# Altium PCB RUMBA_plus.PcbDoc (part 1 of 3)
Units mm, origin at the board's own origin, x right, y up, seen from the top; angles counter-clockwise.
Board outline 135 x 75 mm, 2 copper layers (Top Layer, Bottom Layer), stack 1.581 mm thick; 207 components, 187 nets, 895 pads, 260 vias.
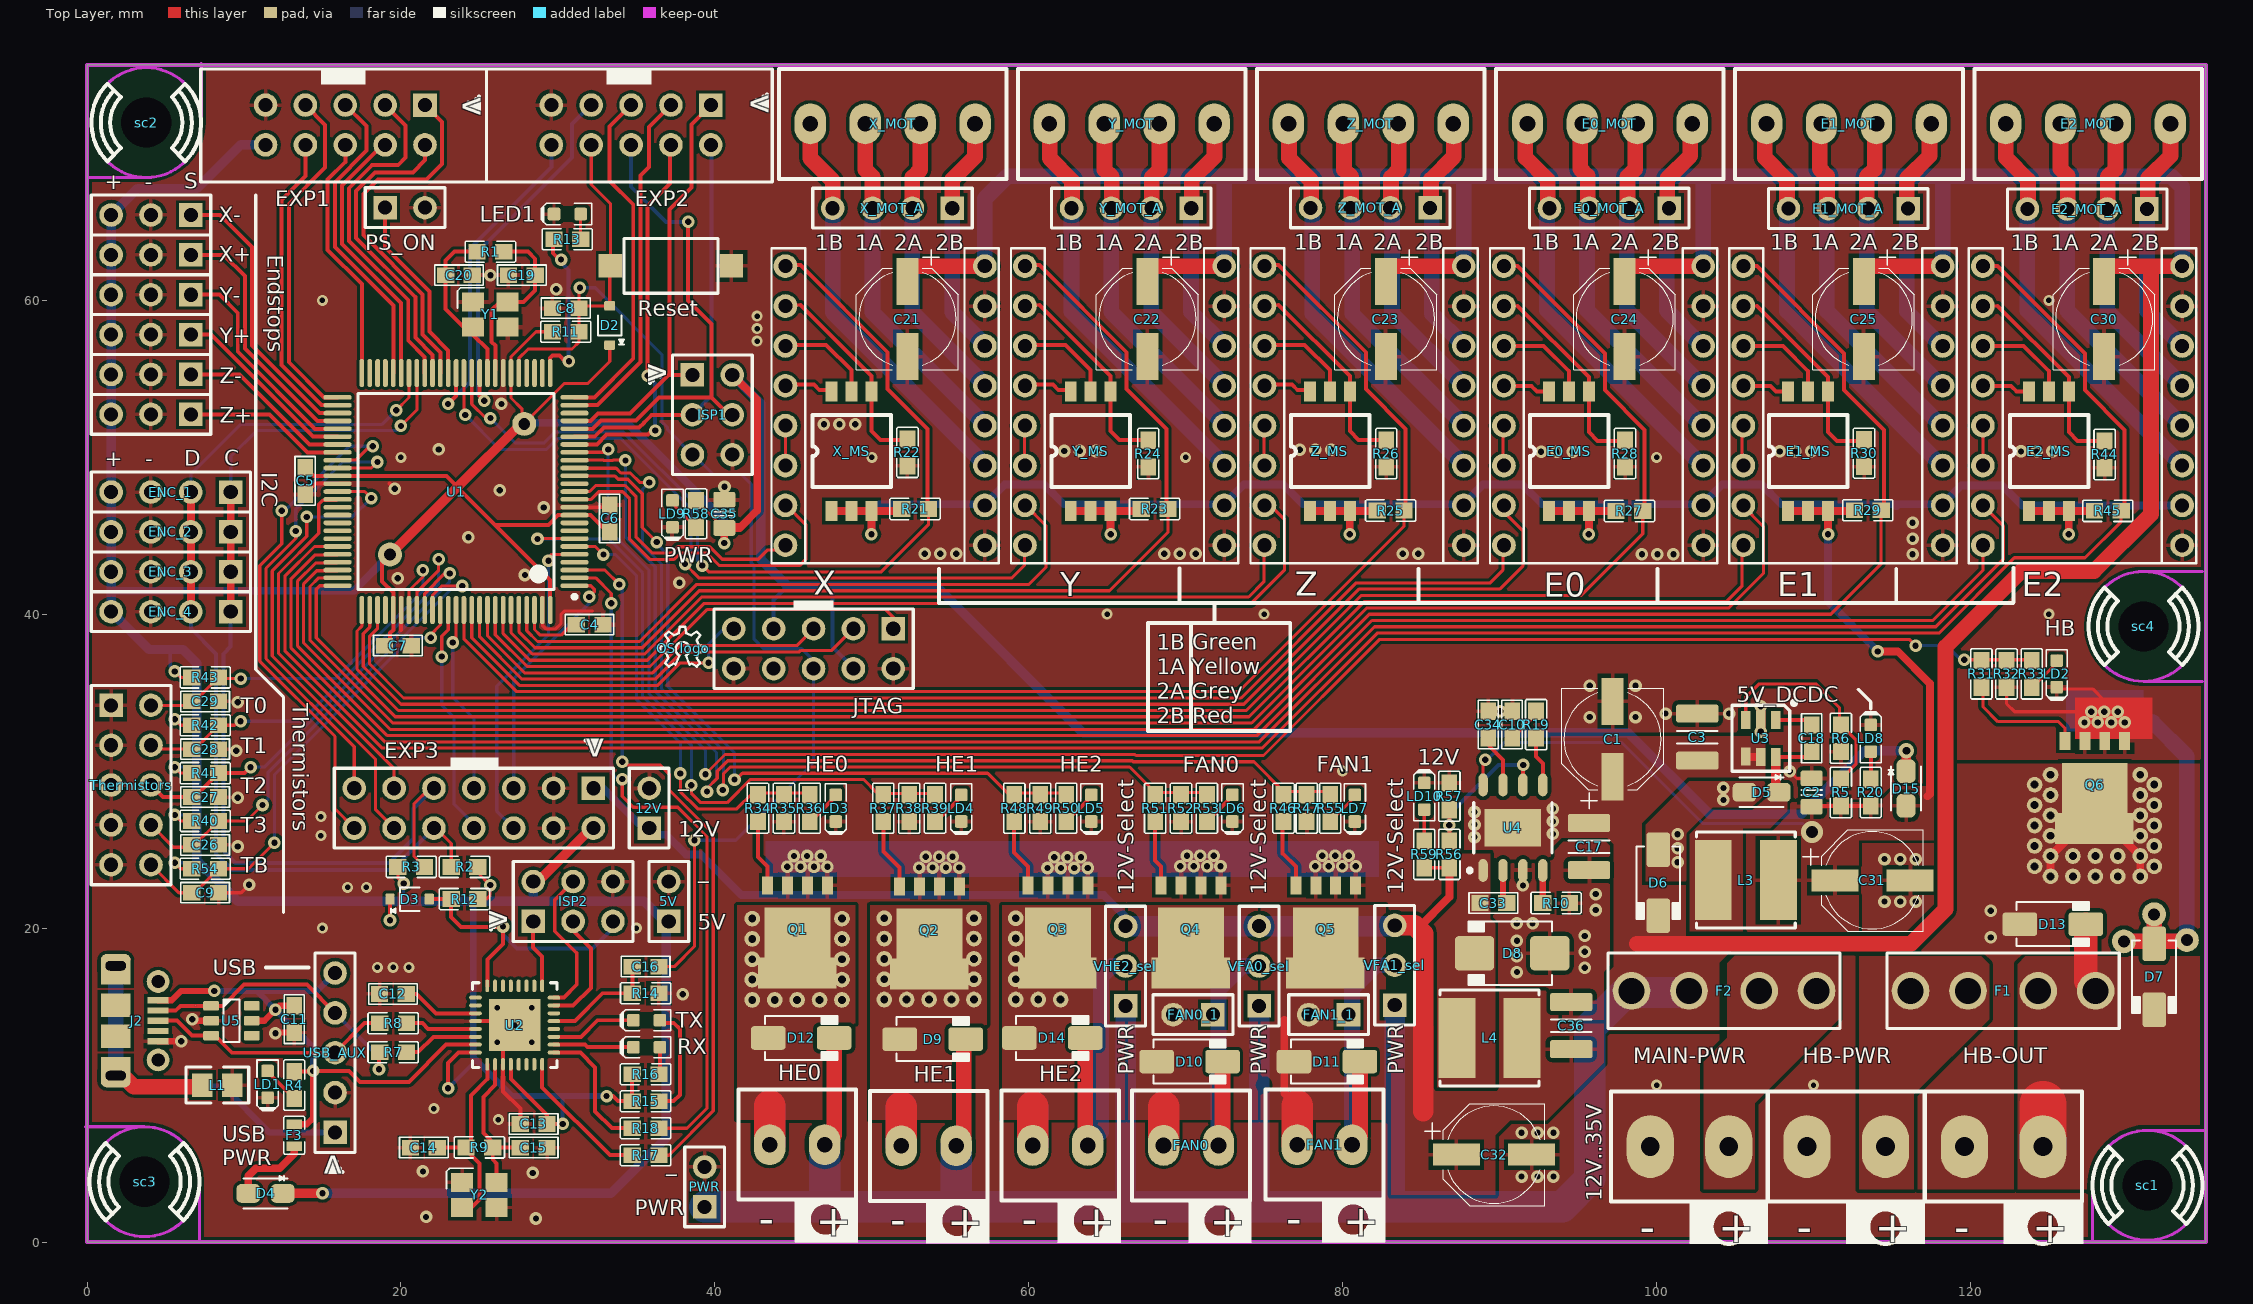
[diagram p0: Top Layer view]
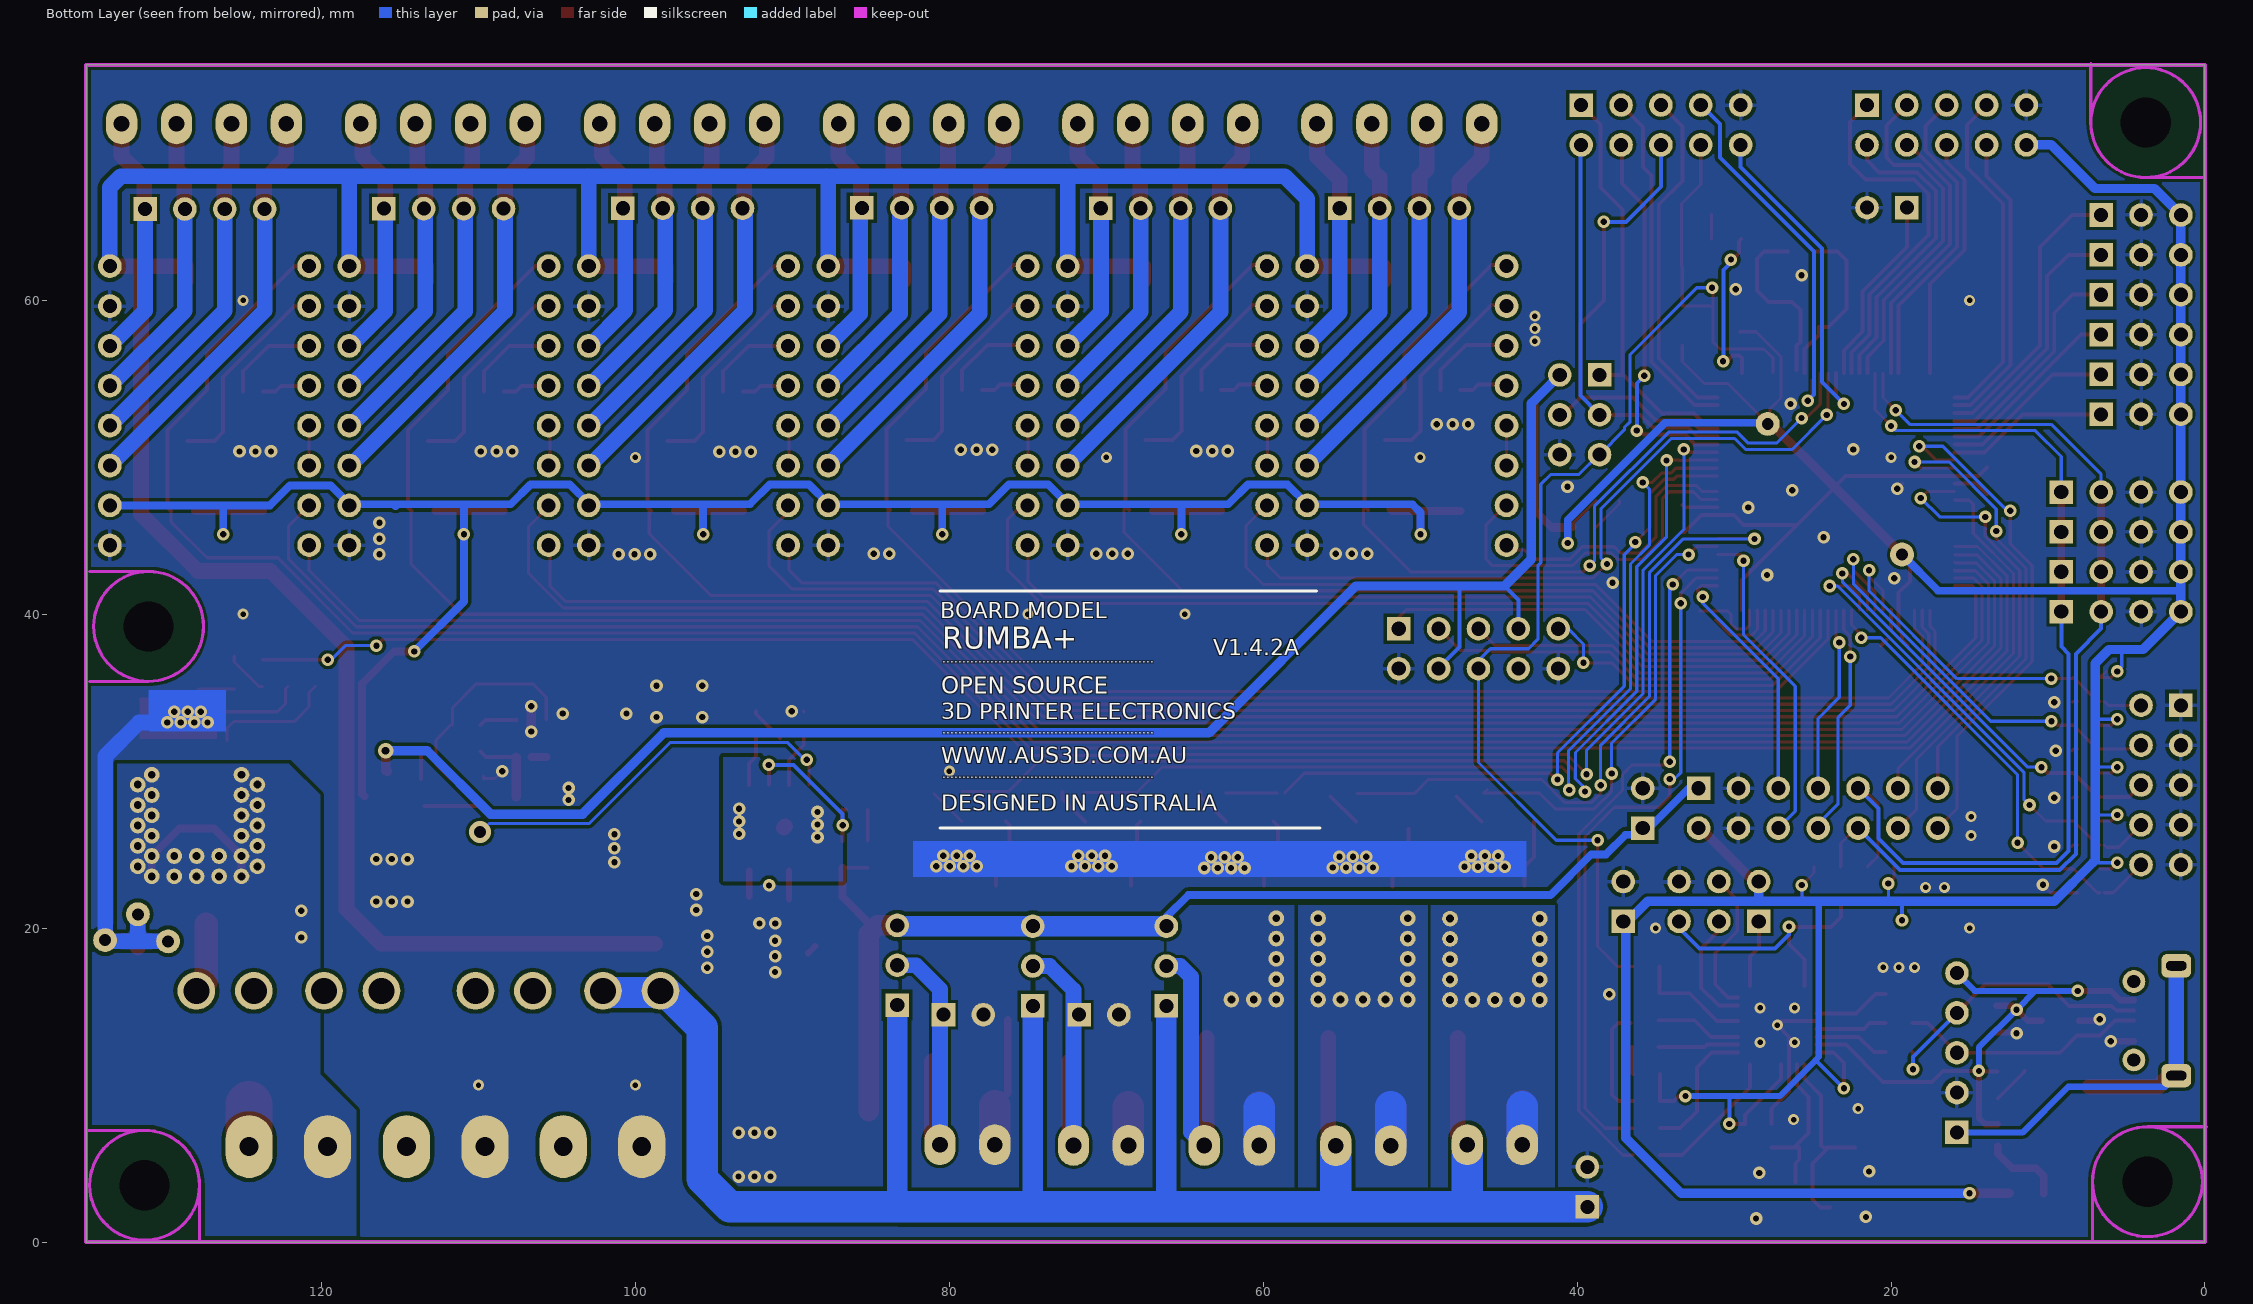
[diagram p1: Bottom Layer view, seen from below]

## Layer stack, top to bottom
Top Solder: solder mask 0.0102, Solder Resist, Dk 3.5
Top Layer: signal copper 0.0356
Dielectric1: dielectric 1.51, FR-4, Dk 4.8
Bottom Layer: signal copper 0.0356
Bottom Solder: solder mask 0.0102, Solder Resist, Dk 3.5

## Board outline
0,0 0,75 135,75 135,0

## Design rules (kind name [scope] priority, off if disabled: settings)
Clearance Clearance_1 [InNet('VIN1') OR InNet('VIN2') OR InNet('VIN') OR InNet('+12V') OR InNet('NetF2_0') OR InNet('NetF1_0') OR InNet('NetD13_A')] p1: gap=0.25 ignorepadtopadclearanceinfootprint=FALSE
Clearance [All] p2: gap=0.2 ignorepadtopadclearanceinfootprint=FALSE except(0: Arc-Hole Track-Hole SMDPad-Hole THPad-Hole Via-Hole Fill-Hole Poly-Hole Region-Hole Text-Hole)
ComponentClearance [All] p1: gap=0.2 collisioncheckmode=3 verticalgap=0.25 showdistances=FALSE
HoleSize [All] p1: absolutevalues=TRUE maxlimit=4 minlimit=0.025 maxpercent=80.000 minpercent=20.000
MinimumSolderMaskSliver [All] p1: minsoldermaskwidth=0
PolygonConnect PolygonConnect_Via [All vs IsVia] p1: connectstyle=Direct reliefconductorwidth=0.254 reliefentries=4 polygonreliefangle="90 Angle" airgapwidth=0.254
PolygonConnect PolygonConnect_Specific [All vs IsPad AND (InNet('HE_0') OR InNet('NetD9_A') OR InNet('NetD10_A') OR InNet('NetD11_A') OR InNet('NetD12_A') OR InNet('NetD13_A') OR InNet('NetD14_A')  OR InNet('VIN2') OR InNet('VIN1') OR InNet('NetC33_2') OR InNet('NetF1_0') OR InNet('NetF2_0'))] p2: connectstyle=Direct reliefconductorwidth=0.254 reliefentries=4 polygonreliefangle="90 Angle" airgapwidth=0.254
PolygonConnect PolygonConnect_Specific_1 [All vs IsPad AND (InComponent('HB-PWR') OR InComponent('MAIN-PWR') OR InComponent('HB-OUT') OR InComponent('IC4') OR InComponent('U1') Or InNet('NetC18_1') OR InComponent('L4') OR InComponent('D5') OR InComponent('D6'))] p3: connectstyle=Direct reliefconductorwidth=0.254 reliefentries=4 polygonreliefangle="90 Angle" airgapwidth=0.254
PolygonConnect [All] p4: connectstyle=Relief reliefconductorwidth=0.254 reliefentries=4 polygonreliefangle="90 Angle" airgapwidth=0.254
RoutingVias [All] p1: holewidth=0.4 width=0.8 viastyle="Through Hole" minholewidth=0.35 minwidth=0.7 maxholewidth=1 maxwidth=2
SilkToSilkClearance [All] p1: silktosilkclearance=0.1
SilkToSolderMaskClearance SilkscreenOverComponentPads [IsPad] p1: minsilkscreentomaskgap=0 clearancetoexposedcopper=TRUE
SolderMaskExpansion [All] p1: expansion=0.102 istentingtop=FALSE
Width Width_1 [All] p1: maxlimit=3 minlimit=0.2 preferedwidth=0.2 minimp=50.000000 maximp=50.000000 favimp=50.000000
25 further rules are at their usual default settings.

## Components (designator, comment, footprint, x,y, rotation, side; value= is the part's Value field where it differs from the comment)
5V "Header 2" HDR1X2 37.062,20.429 r90 top
12V "Header 2" HDR1X2 35.818,26.373 r90 top
C1 "" "CAP EL PANASONIC" 97.199,34.497 r180 top value="100uF 35V"
C2 "" CAPC2012X135N 109.884,28.643 r270 top value=4.7uF
C3 "" "CAP 3225-1210" 102.599,32.172 r270 top value=4.7uF
C4 "" "CAP 1608-0603" 32.021,39.332 r180 top value=100nF
C5 "" "CAP 1608-0603" 13.9,48.5 r90 top value=100nF
C6 "" "CAP 1608-0603" 33.3,46.1 r270 top value=100nF
C7 "" "CAP 1608-0603" 19.8,38 r180 top value=100nF
C8 "" "CAP 1608-0603" 30.5,59.5 r0 top value=22pF
C9 "" "Cap 1608-0603" 7.526,22.258 r0 top value=1uF
C10 "" "Cap 1608-0603" 90.8,32.966 r90 top value=100nF
C11 "" "CAP 1608-0603" 13.2,14.2 r90 top value=100nF
C12 "" "CAP 1608-0603" 19.488,15.808 r180 top value=1uF
C13 "" "CAP 1608-0603" 28.456,7.526 r0 top value=100nF
C14 "" "CAP 1608-0603" 21.456,6.016 r0 top value=22pF
C15 "" "CAP 1608-0603" 28.456,6.016 r180 top value=22pF
C16 "" "CAP 1608-0603" 35.589,17.546 r180 top value=100nF
C17 "" "CAP 3225-1210" 95.699,25.196 r90 top value=4.7uF
C18 "" "CAP 1608-0603" 109.884,32.097 r90 top value=100nF
C19 "" "CAP 1608-0603" 27.7,61.6 r0 top value=22pF
C20 "" "CAP 1608-0603" 23.7,61.6 r180 top value=22pF
C21 "" "CAP EL PANASONIC" 52.274,56.36 r0 top value="100uF 35V"
C22 "" "CAP EL PANASONIC" 67.565,56.36 r0 top value="100uF 35V"
C23 "" "CAP EL PANASONIC" 82.756,56.36 r0 top value="100uF 35V"
C24 "" "CAP EL PANASONIC" 97.968,56.36 r0 top value="100uF 35V"
C25 "" "CAP EL PANASONIC" 113.208,56.36 r0 top value="100uF 35V"
C26 "" "Cap 1608-0603" 7.526,25.306 r0 top value=1uF
C27 "" "Cap 1608-0603" 7.526,28.354 r0 top value=1uF
C28 "" "Cap 1608-0603" 7.526,31.402 r0 top value=1uF
C29 "" "Cap 1608-0603" 7.526,34.45 r0 top value=1uF
C30 "" "CAP EL PANASONIC" 128.522,56.36 r0 top value="100uF 35V"
C31 "" "CAP EL PANASONIC" 116.208,23.045 r90 top value="100uF 35V"
C32 "" "CAP EL PANASONIC" 92.095,5.57 r90 top value="100uF 35V"
C33 "" "Cap 1608-0603" 89.6,21.6 r180 top value=100nF
C34 "" "Cap 1608-0603" 89.276,32.966 r270 top value=100nF
C35 "" CAPC2012X135N 40.6,46.4 r270 top value=4.7uF
C36 "" "CAP 3225-1210" 94.564,13.789 r270 top value=4.7uF
D2 "" SOD323 33.3,58.4 r90 top value="Vf=1V @ 50mA"
D3 "" SOD323 20.55,21.85 r0 top value="Vf=1V @ 50mA"
D4 "" DIOM2616X08N 11.371,3.1 r180 top
D5 "" DIOM2616X08N 106.696,28.654 r180 top
D6 "" DO-214AC 100.107,22.896 r270 top value="Vf = 1.15V @ 1.5A (Max)"
D7 "" DO-214AC 131.707,16.9 r270 top value="Vf = 1.15V @ 1.5A (Max)"
D8 "" DO-214AA 90.8,18.4 r180 top value="40V 4A"
D9 "" DO-214AC 53.882,12.924 r0 top value="Vf = 1.15V @ 1.5A (Max)"
D10 "" DO-214AC 70.25,11.5 r0 top value="Vf = 1.15V @ 1.5A (Max)"
D11 "" DO-214AC 79,11.5 r0 top value="Vf = 1.15V @ 1.5A (Max)"
D12 "" DO-214AC 45.5,13 r0 top value="Vf = 1.15V @ 1.5A (Max)"
D13 "" DO-214AC 125.25,20.254 r0 top value="Vf = 1.15V @ 1.5A (Max)"
D14 "" DO-214AC 61.5,13 r0 top value="Vf = 1.15V @ 1.5A (Max)"
D15 "" DIOM2616X08N 115.899,28.896 r270 top
E0 "A4988BREAKOUT" A4988BREAKOUT 90.274,62.176 r270 top
E0_MOT "" "TERM4 3.5MM" 91.778,71.244 r0 top
E0_MOT_A "Header 4" HDR1X4 100.799,65.87 r180 top
E0_MS "SW DIP-3" "DIPSW SO6" 93.148,46.584 r90 top
E1 "A4988BREAKOUT" A4988BREAKOUT 105.532,62.176 r270 top
E1_MOT "" "TERM4 3.5MM" 107.011,71.244 r0 top
E1_MOT_A "Header 4" HDR1X4 116.023,65.844 r180 top
E1_MS "SW DIP-3" "DIPSW SO6" 108.388,46.584 r90 top
E2 "A4988BREAKOUT" A4988BREAKOUT 120.791,62.176 r270 top
E2_MOT "" "TERM4 3.5MM" 122.243,71.244 r0 top
E2_MOT_A "Header 4" HDR1X4 131.248,65.819 r180 top
E2_MS "SW DIP-3" "DIPSW SO6" 123.728,46.584 r90 top
ENC_1 "Header 4" HDR1X4 9.152,47.785 r180 top
ENC_2 "Header 4" HDR1X4 9.152,45.245 r180 top
ENC_3 "Header 4" HDR1X4 9.152,42.705 r180 top
ENC_4 "Header 4" HDR1X4 9.152,40.165 r180 top
EXP1 "Header 5X2" "HDR2X5_EXP INER ONLY\" 25.535,74.746 r180 top
EXP2 "Header 5X2" "HDR2X5_EXP INER ONLY\" 43.746,74.746 r180 top
EXP3 "Header 7X2" HDR2X7 32.262,28.913 r180 top
F1 "" "FUSEHOLDER - BK-6013 - MINI ATC ATO BLADE 15A" 122.08,16.004 r0 top
F2 "" "FUSEHOLDER - BK-6013 - MINI ATC ATO BLADE 15A" 104.3,16.004 r180 top
F3 "" "PTC Fuse1608-0603" 13.2,6.8 r270 top value=200mA
FAN0 "" "TERM2 3.5MM" 72.089,6.154 r180 top
FAN0_1 "Header 2" HDR1X2 71.737,14.488 r180 top
FAN1 "" "TERM2 3.5MM" 80.598,6.205 r180 top
FAN1_1 "Header 2" HDR1X2 80.374,14.488 r180 top
HB-OUT "" "TERM2 5MM" 119.616,6.078 r0 top
HB-PWR "" "TERM2 5MM" 109.583,6.078 r0 top
HE0 "" "TERM2 3.5MM" 46.994,6.205 r180 top
HE1 "" "TERM2 3.5MM" 55.376,6.129 r180 top
HE2 "" "TERM2 3.5MM" 63.758,6.154 r180 top
ISP1 "Header 3X2" HDR2X3 38.571,55.246 r270 top
ISP2 "Header 3X2" HDR2X3 28.426,20.429 r0 top
J2 "" "Micro-USB B Molex 105017-0001" 4.525,14.1 r270 top
JTAG "Header 5X2" HDR2X5 51.366,39.073 r180 top
L1 "" "RES 2012-0805" 8.3,10 r0 top
L3 "" "SRN6045TA SMD Inductor" 105.686,23.065 r90 top value=33uH
L4 "" "SRN6045TA SMD Inductor" 89.357,13 r90 top value=4.7uH
LD1 "" "LED 1608-0603" 11.5,10.05 r270 top
LD2 "" "LED 1608-0603" 125.5,36.2 r270 top
LD3 "" "LED 1608-0603" 47.7,27.643 r270 top
LD4 "" "LED 1608-0603" 55.7,27.643 r270 top
LD5 "" "LED 1608-0603" 63.99,27.643 r270 top
LD6 "" "LED 1608-0603" 72.978,27.643 r270 top
LD7 "" "LED 1608-0603" 80.779,27.643 r270 top
LD8 "" "LED 1608-0603" 113.648,32.098 r90 top
LD9 "" "LED 1608-0603" 37.3,46.4 r270 top
LD10 "" "LED 1608-0603" 85.2,28.4 r90 top
LED1 "" "LED 1608-0603" 30.6,65.5 r180 top
MAIN-PWR "" "TERM2 5MM" 99.601,6.078 r0 top
"OS logo" "Logo" "OS LOGO TOP" 37.981,37.828 r0 top
PS_ON "Header 2" HDR1X2 18.991,65.904 r0 top
PWR "Header 2" HDR1X2 39.348,2.243 r90 top
Q1 "" LFPACK 47.174,22.727 r180 top
Q2 "" LFPACK 55.579,22.664 r180 top
Q3 "" LFPACK 63.759,22.727 r180 top
Q4 "" LFPACK 72.242,22.727 r180 top
Q5 "" LFPACK 80.827,22.727 r180 top
Q6 "" LFPACK 129.827,31.935 r180 top
R1 "" "RES 1608-0603" 25.7,63.1 r0 top value=1M
R2 "" "RES 1608-0603" 24.05,23.9 r0 top value=10K
R3 "" "RES 1608-0603" 20.65,23.9 r180 top value=10K
R4 "" "RES 1608-0603" 13.2,10 r90 top value=1K
R5 "" "RES 1608-0603" 111.748,28.643 r270 top value=54.9k
R6 "" "RES 1608-0603" 111.748,32.098 r90 top value=10K
R7 "" "RES 1608-0603" 19.498,12.095 r180 top value=22R
R8 "" "RES 1608-0603" 19.498,13.941 r180 top value=22R
R9 "" "RES 1608-0603" 24.997,6.027 r0 top value=1M
R10 "" "RES 1608-0603" 93.6,21.6 r180 top value=100K
R11 "" "RES 1608-0603" 30.5,58 r180 top value=10K
R12 "" "RES 1608-0603" 24.05,21.85 r0 top value=10K
R13 "" "RES 1608-0603" 30.6,63.9 r180 top value=1K
R14 "" "RES 1608-0603" 35.589,15.851 r0 top value=1K
R15 "" "RES 1608-0603" 35.584,8.971 r0 top value=1K
R16 "" "RES 1608-0603" 35.584,10.691 r0 top value=1K
R17 "" "RES 1608-0603" 35.584,5.531 r0 top value=1K
R18 "" "RES 1608-0603" 35.584,7.251 r0 top value=1K
R19 "" "RES 1608-0603" 92.324,32.966 r270 top value=54.9k
R20 "" "RES 1608-0603" 113.648,28.643 r270 top value=1K
R21 "" "RES 1608-0603" 52.756,46.708 r0 top value=10K
R22 "" "RES 1608-0603" 52.273,50.314 r270 top value=100K
R23 "" "RES 1608-0603" 68.021,46.708 r0 top value=10K
R24 "" "RES 1608-0603" 67.615,50.238 r270 top value=100K
R25 "" "RES 1608-0603" 83.058,46.606 r0 top value=10K
R26 "" "RES 1608-0603" 82.778,50.238 r270 top value=100K
R27 "" "RES 1608-0603" 98.272,46.581 r0 top value=10K
R28 "" "RES 1608-0603" 97.993,50.238 r270 top value=100K
R29 "" "RES 1608-0603" 113.462,46.631 r0 top value=10K
R30 "" "RES 1608-0603" 113.221,50.262 r270 top value=100K
R31 "" "RES 1608-0603" 120.7,36.2 r270 top value=22R
R32 "" "RES 1608-0603" 122.3,36.2 r270 top value=100K
R33 "" "RES 1608-0603" 123.9,36.2 r90 top value=1K
R34 "" "RES 1608-0603" 42.751,27.643 r270 top value=22R
R35 "" "RES 1608-0603" 44.402,27.643 r270 top value=100K
R36 "" "RES 1608-0603" 46.053,27.643 r90 top value=1K
R37 "" "RES 1608-0603" 50.727,27.643 r270 top value=22R
R38 "" "RES 1608-0603" 52.378,27.643 r270 top value=100K
R39 "" "RES 1608-0603" 54.029,27.643 r90 top value=1K
R40 "" "RES 1608-0603" 7.526,26.83 r0 top value=4.7K
R41 "" "RES 1608-0603" 7.526,29.878 r0 top value=4.7K
R42 "" "RES 1608-0603" 7.526,32.926 r0 top value=4.7K
R43 "" "RES 1608-0603" 7.526,35.974 r0 top value=4.7K
R44 "" "RES 1608-0603" 128.547,50.182 r270 top value=100K
R45 "" "RES 1608-0603" 128.752,46.585 r0 top value=10K
R46 "" "RES 1608-0603" 76.229,27.643 r270 top value=22R
R47 "" "RES 1608-0603" 77.702,27.643 r270 top value=100K
R48 "" "RES 1608-0603" 59.084,27.643 r270 top value=22R
R49 "" "RES 1608-0603" 60.735,27.643 r270 top value=100K
R50 "" "RES 1608-0603" 62.386,27.643 r90 top value=1K
R51 "" "RES 1608-0603" 68.05,27.643 r270 top value=22R
R52 "" "RES 1608-0603" 69.701,27.643 r270 top value=100K
R53 "" "RES 1608-0603" 71.352,27.643 r90 top value=1K
R54 "" "RES 1608-0603" 7.526,23.782 r0 top value=4.7K
R55 "" "RES 1608-0603" 79.201,27.643 r90 top value=1K
R56 "" "RES 1608-0603" 86.8,24.7 r90 top value=140K
R57 "" "RES 1608-0603" 86.8,28.4 r270 top value=10K
R58 "" "RES 1608-0603" 38.8,46.4 r90 top value=1K
R59 "" "RES 1608-0603" 85.2,24.7 r270 top value=4.7K
Reset "SW-PB" "SW-PB SMD 2PIN" 37.2,62.2 r180 top
RX "" "LED 1608-0603" 35.652,12.411 r180 top
sc1 "Sraf" "SRAF 3MM - RUPA 3.2" 131.275,3.614 r45 top
sc2 "Sraf" "SRAF 3MM - RUPA 3.2" 3.773,71.325 r45 top
sc3 "Sraf" "Sraf 3mm - rupa 3.5" 3.665,3.843 r45 top locked
sc4 "Sraf" "SRAF 3MM - RUPA 3.5" 131.021,39.225 r45 top
Thermistors "Header 5X2" HDR2X5 1.532,34.196 r270 top
TX "" "LED 1608-0603" 35.652,14.131 r180 top
U1 "ATMEGA2560" TQFP100N 23.51,47.817 r180 top locked
U2 "ATMEGA16U2-MU" 32M1-A_N 27.248,13.824 r90 top
U3 "" SOT23-6N 106.636,32.097 r270 top
U4 "AOZ1284" SOIC127P600X170_HS-9N 90.85,26.4 r90 top
U5 "" SOT23-6 9.2,14.1 r0 top
USB_AUX "Header 5" HDR1X5-HEADER 15.8,6.98 r90 top
VFA0_sel "Header 3" HDR1X3 74.68,15.044 r90 top
VFA1_sel "Header 3" HDR1X3 83.316,15.095 r90 top
VHE2_sel "Header 3" HDR1X3 66.171,15.044 r90 top